# KiCad board NewPCMTestBoard.kicad_pcb (continued)
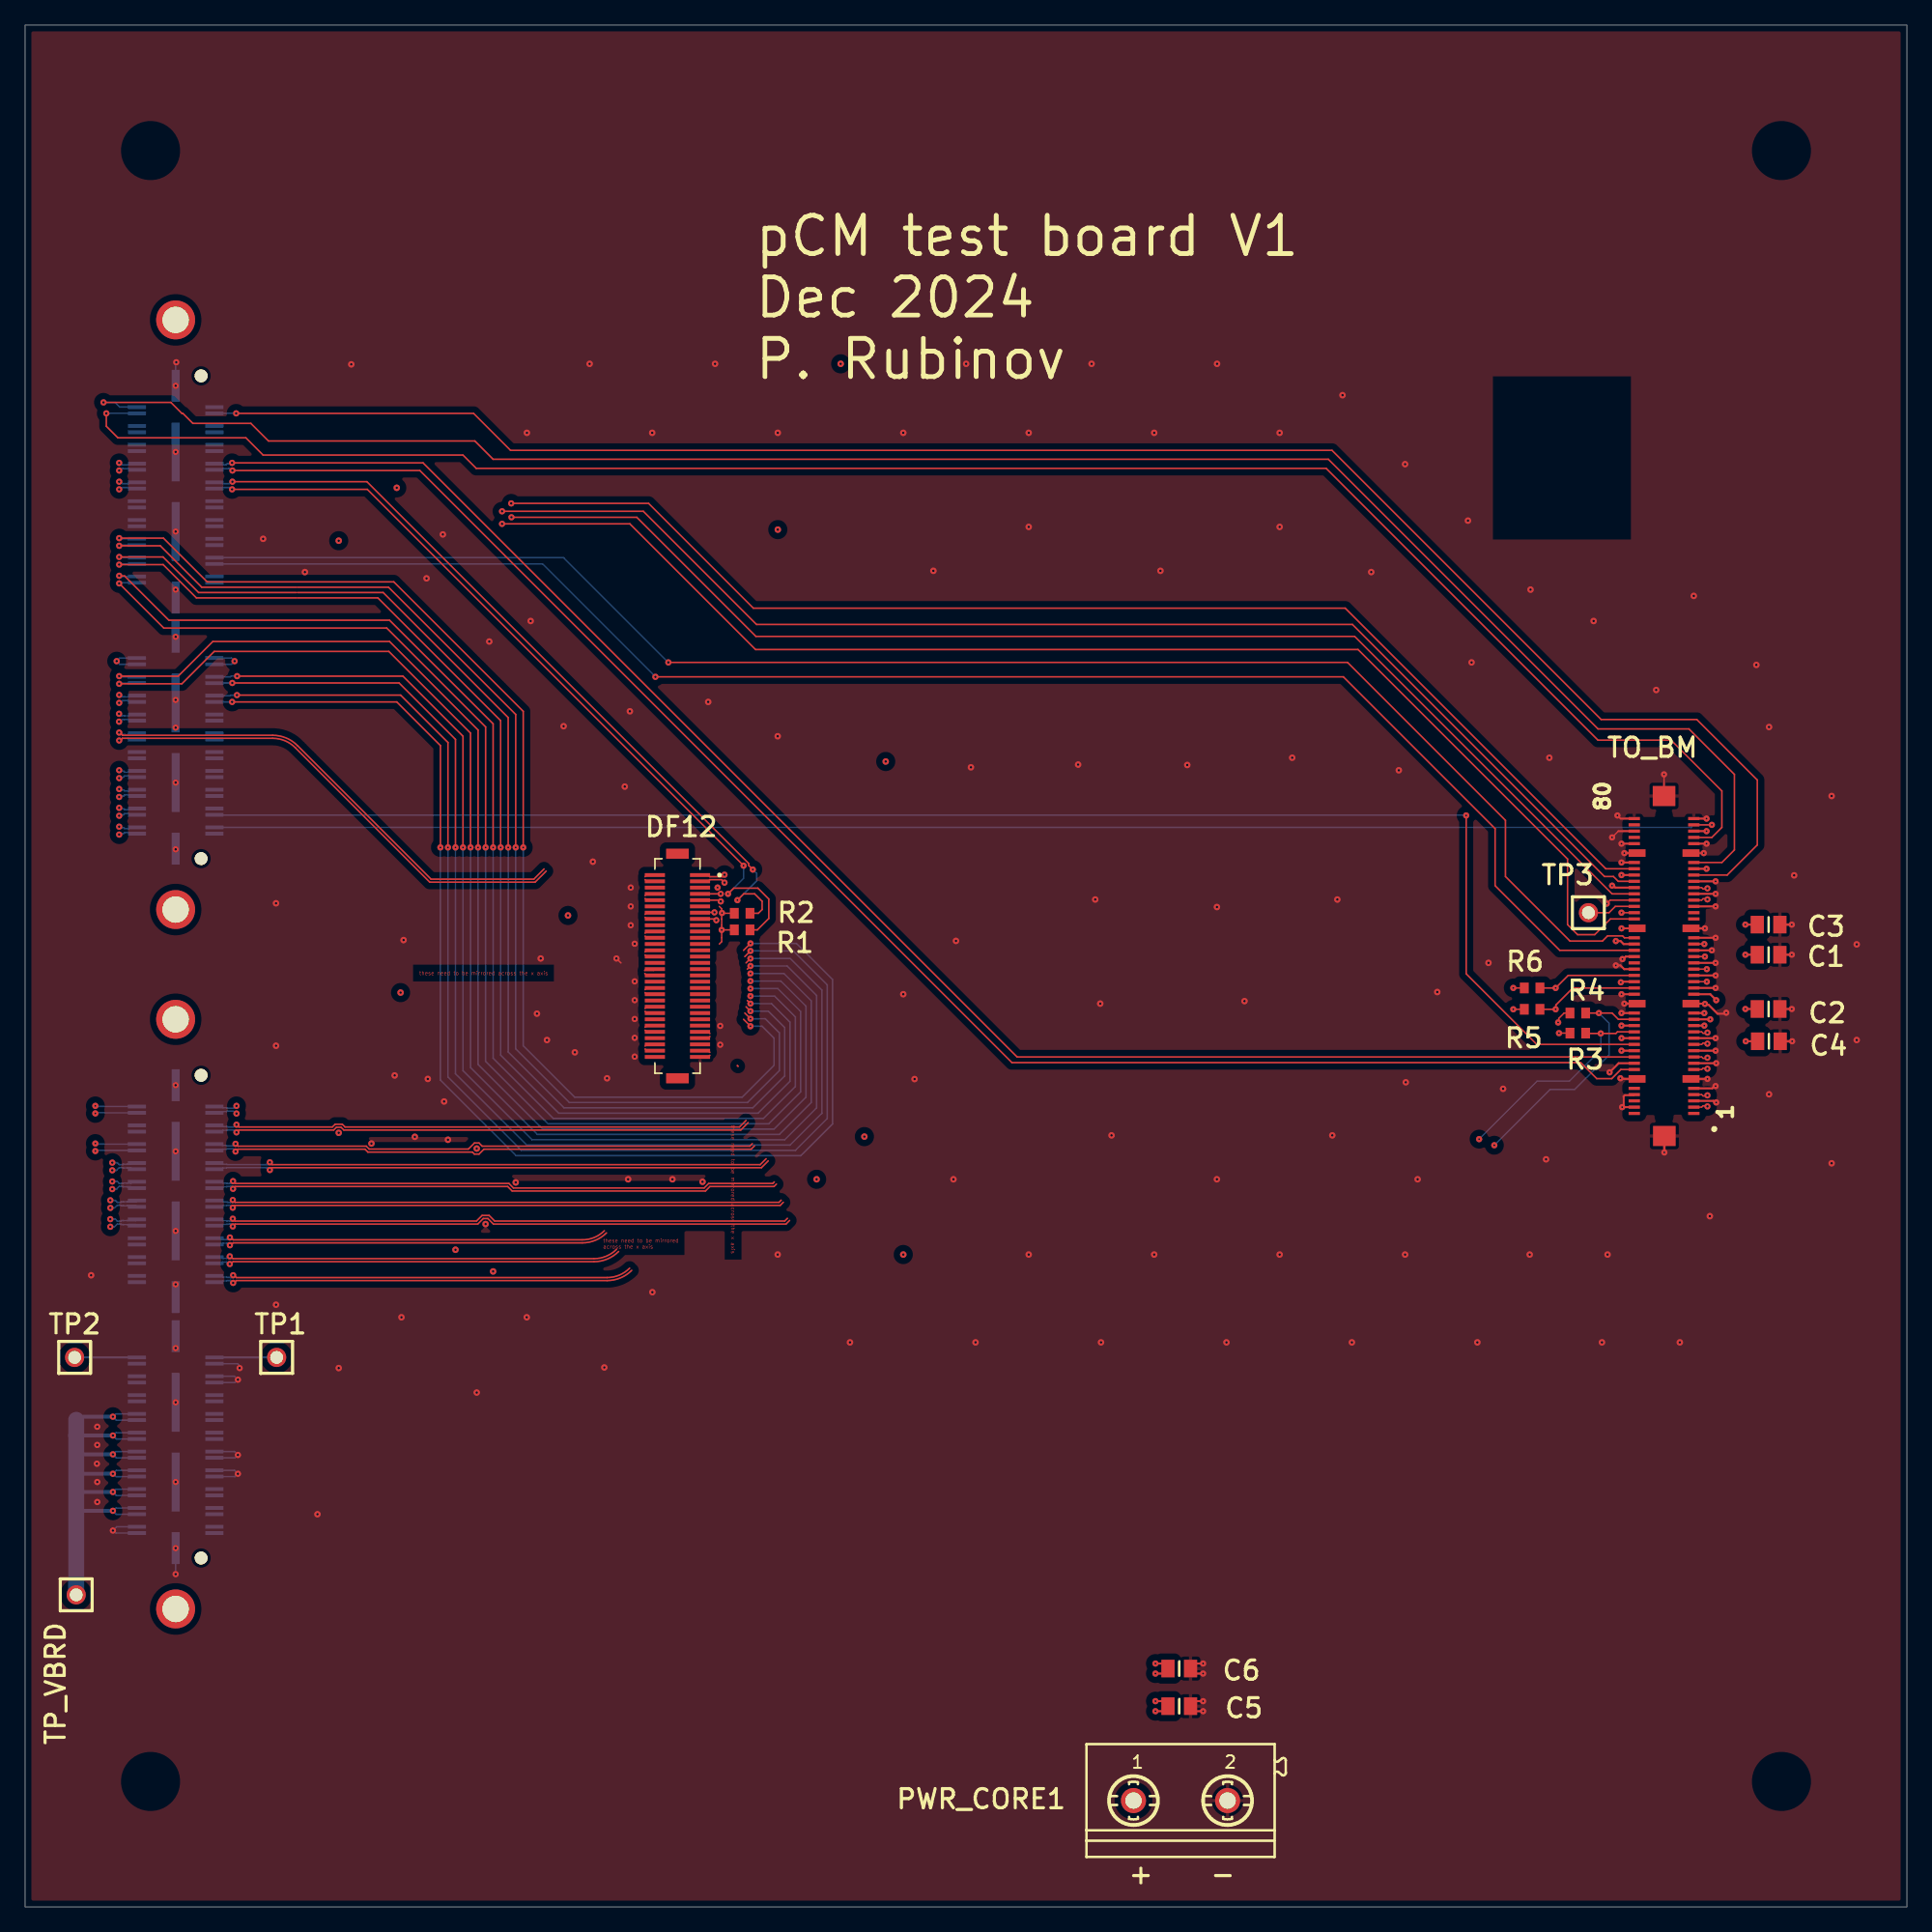
[diagram p0: board, top side]
## Text on the board (continued)
Stackup Notes: hickness: 1.6MM | Finished Outer Copper: 1OZ | Inner Copper: 1OZ | Inner layer Residual copper ratio: 70% | Layer 	Material 	Thickness | (mm) 	Thickness after lamination(mm) | L1-CU 	Outer Base Copper 0.5OZ 	0.0175 	0.0175 | (Plating to 1OZ) | PP 	3313 RC58% | DK:4.45 	0.1030 	0.0925 | L2-CU 	Inner Copper 1OZ 	0.0350 	0.2 | (Core with Cu) | CORE 	Core | DK:4.6 	0.1300 | L3-CU 	Inner Copper 1OZ 	0.0350 | PP 	7628 RC46% | DK:4.74 	0.1960 	0.1750 | L4-CU 	Inner Copper 1OZ 	0.0350 	0.2 | L5-CU 	Inner Copper 1OZ 	0.0350 | L6-CU 	Inner Copper 1OZ 	0.0350 	0.2 | L7-CU 	Inner Copper 1OZ 	0.0350 | L8-CU 	Inner Copper 1OZ 	0.0350 	0.2 | L9-CU 	Inner Copper 1OZ 	0.0350 | L10-CU 	Outer Base Copper 0.5OZ 	0.0175 	0.0175 | Thickness after lamination: 1.55mm, tolerance: ±10% | Finished PCB Thickness: 1.65mm, tolerance: ±10% | Inner layer Residual copper ratio > 60%, it is suitable to choose a lamination structure with 70% inner layer Residual copper ratio.
LDSemiRight: U1 | U2 | BOT | EDA-04528-V1
